# KiCad board Oblique Palette 0.5.1 PCB Main.kicad_pcb (continued)
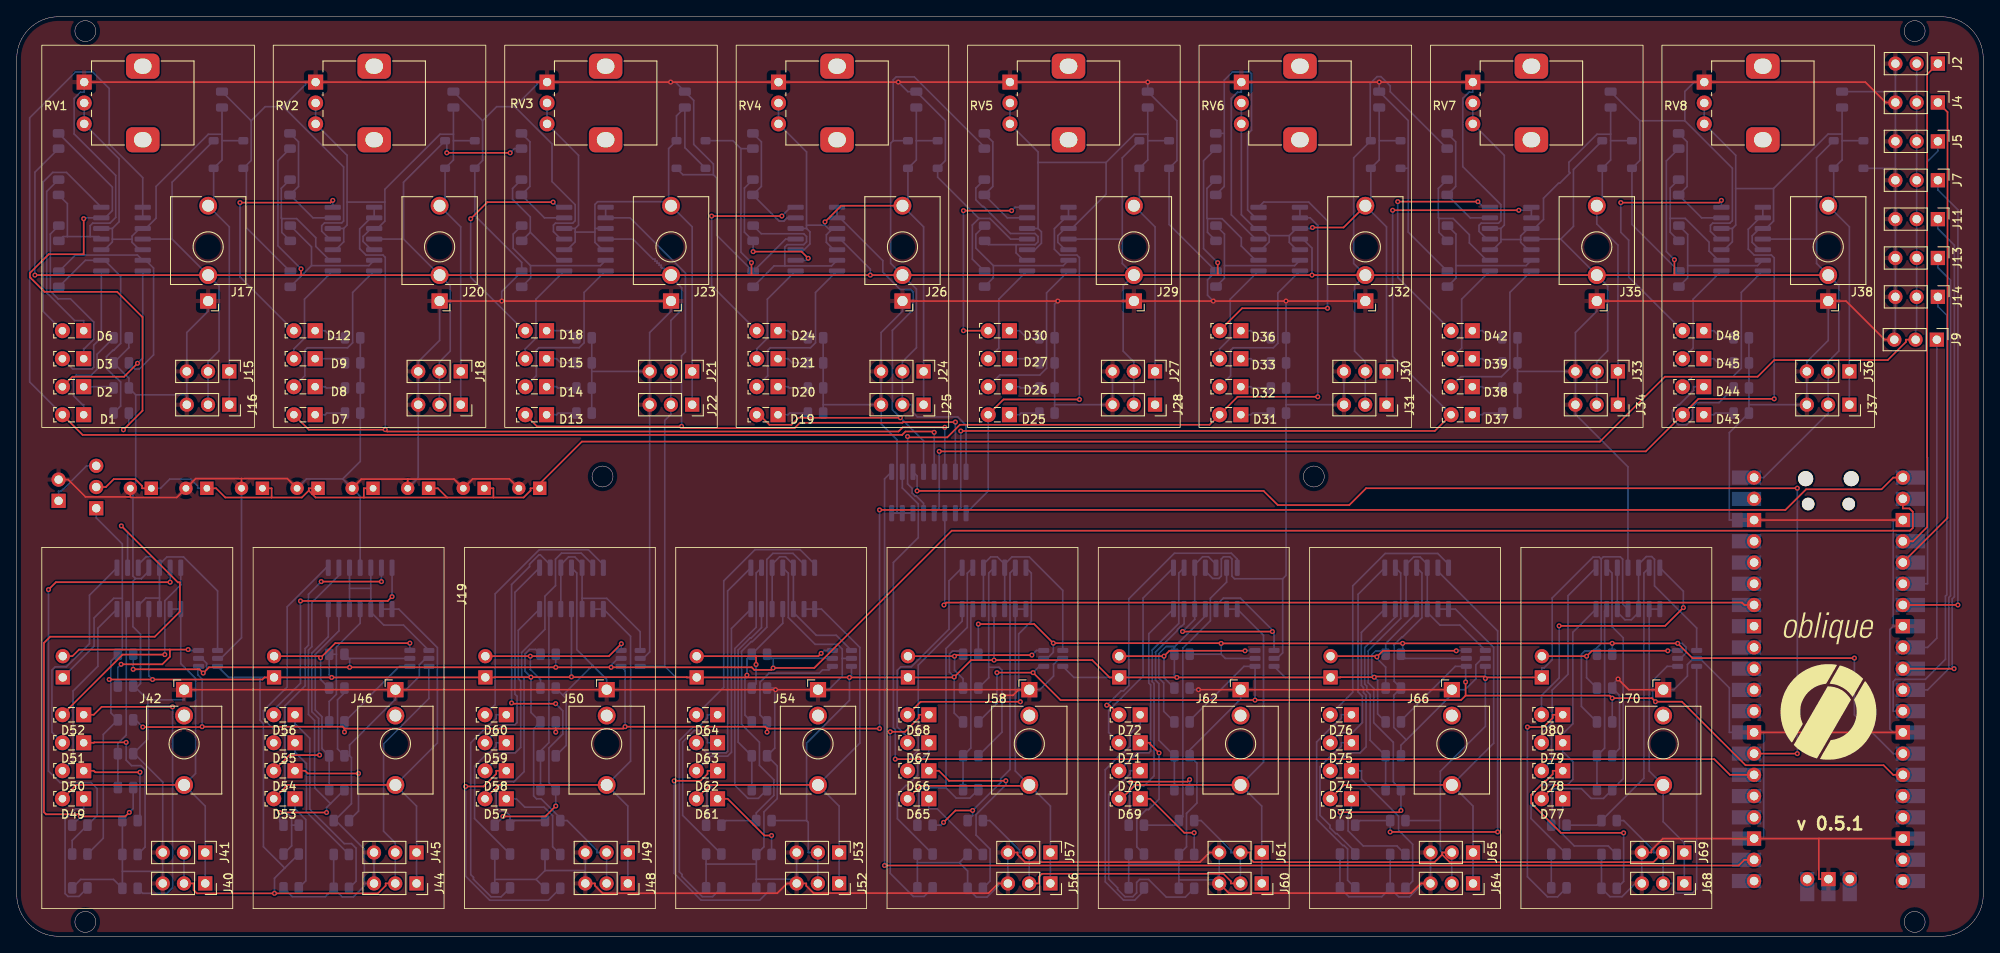
[diagram p0: board, top side]
## Routing (per net, layer and track width the routed paths; a pad name or vN(x,y) marks a point on that pad's centre or on a via; arc(x,y) is an arc through that point) (continued)
/Input 1/ANALOG_IN: length 177
  Top w0.2: D1.2 7.87,59.98 105.8,59.98 106.21,60.38 109.54,60.38 v1(109.64,60.28)
  Bottom w0.2: U3.2 U3.1 15.06,90.75 11.05,94.75 11.05,101.41 9.09,103.38 7.02,103.38 1.55,97.91 1.55,66.3 D1.2 ; U1.13 v1(109.64,60.28)
/Input 2/ANALOG_IN: length 114.2
  Top w0.2: v1(110.91,60.88) 105.87,60.88 105.37,60.38 44.26,60.38 v1(44.04,60.61) 34.9,60.61 D7.2
  Bottom w0.2: U4.1 U4.2 42.3,85.94 40.98,84.62 40.98,82.25 41.73,81.5 43.76,81.5 44.04,81.22 v1(44.04,60.61) ; U1.14 v1(110.91,60.88)
/Input 3/ANALOG_IN: length 90.4
  Top w0.2: v1(112.17,61.51) 105.93,61.51 105.84,61.43 93.59,61.43 92.95,60.79 79.66,60.79 v1(79.45,61) 62.17,61 D13.2
  Bottom w0.2: U5.1 U5.2 73.31,85.94 79.91,79.34 79.91,69.89 79.45,69.43 v1(79.45,61) ; v1(112.17,61.51) 112.17,61.51 U1.15
/Input 4/ANALOG_IN: length 56.9
  Top w0.2: v1(105.59,62.03) 93.42,62.03 92.58,61.19 89.95,61.19 88.74,62.39 D19.2
  Bottom w0.2: U6.1 U6.2 98.38,85.94 103.5,80.82 103.5,79.44 105.56,77.37 106.82,77.37 107.11,77.08 107.11,74.95 104.64,72.48 104.64,62.98 v1(105.59,62.03) 108.36,59.26 U1.12
/Input 5/ANALOG_IN: length 50.9
  Top w0.2: D25.2 117.91,64.21 v1(126.99,64.21)
  Bottom w0.2: U1.1 116.09,53.26 D25.2 ; v1(126.99,64.21) 126.99,81.19 126.69,81.5 124.69,81.5 124,82.19 124,84.64 125.3,85.94 U7.2 U7.1
/Input 6/ANALOG_IN: length 85.4
  Top w0.2: v1(155.47,64.54) 145.89,64.54 D31.2 142.54,61.19 112.7,61.19 111.19,59.68 106.56,59.68 v1(106.45,59.78)
  Bottom w0.2: U1.5 108.36,51.79 107.48,52.67 107.34,52.67 106.99,53.03 106.99,53.58 106.45,54.11 v1(106.45,59.78) ; v1(155.47,64.54) 155.47,85.03 154.57,85.94 U8.2 U8.1
/Input 7/ANALOG_IN: length 114.7
  Top w0.2: v1(112.81,60.44) 169.46,60.44 D37.2 ; v1(164.42,86.85) v1(179.5,86.85)
  Bottom w0.2: v1(112.81,60.44) 112.81,51.25 U1.2 ; U9.2 181,86.85 ; 181,86.85 v1(179.5,86.85) ; 181,86.85 U9.1 ; D37.2 164.42,69.37 v1(164.42,86.85)
/Input 8/ANALOG_IN: length 136.4
  Top w0.2: v1(210.02,64.29) 200.96,64.29 D43.2 194.67,58 v1(110.24,58)
  Bottom w0.2: v1(210.02,64.29) 210.02,81.15 209.67,81.5 207.62,81.5 206.92,82.2 206.92,84.57 208.29,85.94 U10.2 U10.1 ; v1(110.24,58) 110.24,51.22 U1.4
ADC: length 108.1
  Top w0.2: v1(110.8,39.63) 111.09,39.92 206.17,39.92 206.46,39.63 U2.34
  Bottom w0.2: v1(110.8,39.63) 110.91,39.73 U1.3
ADC_0: length 146.1
  Top w0.2: U2.27 v1(212.78,21.85) ; v1(212.78,53.6) 161.25,53.6 159.24,51.59 150.69,51.59 149,53.28 v1(107.59,53.28)
  Bottom w0.2: v1(212.78,53.6) v1(212.78,21.85) ; U1.11 107.59,55.07 v1(107.59,53.28)
ADC_1: length 139.9
  Top w0.2: v1(104.98,21.19) 202.86,21.19 204.74,19.31 U2.26
  Bottom w0.2: v1(104.98,21.19) 104.98,24.71 104.76,24.94 104.76,44.71 107.73,47.68 107.73,51.72 105.83,53.63 U1.10
ADC_2: length 151.6
  Top w0.2: v1(103.71,8.47) 205.77,8.47 206.46,9.15 U2.22
  Bottom w0.2: U1.9 103.71,54.72 v1(103.71,8.47)
SCL_0: length 251.4
  Top w0.2: U2.2 225.39,51.18 226.18,51.18 226.57,50.79 226.57,48.85 226.25,48.52 111.73,48.52 95.31,32.09 v1(90.4,32.09) 90.17,31.87 88.14,31.87 87.83,32.18 v1(71.03,32.18) v1(64.41,32.18) v1(39.78,32.18) 22.97,32.18 v1(22.29,31.49) 21.84,31.93 v1(13.91,31.93)
  Bottom w0.2: U17.5 90.4,33.24 ; 90.4,33.24 90.16,33.24 R98.1 ; 90.4,33.24 v1(90.4,32.09) ; R65.1 v1(13.91,31.93) ; v1(71.03,32.18) 71.03,32.42 71.85,33.24 U15.5 ; R87.1 v1(64.41,32.18) ; v1(39.78,32.18) 39.78,33.12 R76.1 39.66,33.24 46.98,33.24 ; U11.5 22.1,33.24 22.69,32.65 22.69,31.89 v1(22.29,31.49)
SCL_1: length 160.3
  Top w0.2: v1(173.14,30.42) 173.14,28.79 ; 173.14,28.79 172.6,28.25 v1(147.97,28.25) 124.74,28.25 v1(121.45,31.54) 121.45,31.54 v1(117.13,31.54) ; 173.14,28.79 190.36,28.79 v1(190.66,28.49) 195.4,28.49 v1(195.83,28.06) 198.99,28.06 206.59,20.46 223.09,20.46 224.24,19.31 U2.15
  Bottom w0.2: v1(173.14,30.42) 173.14,32.2 173.22,32.29 171.91,32.29 165.41,25.79 R133.1 ; 122.72,32.29 122.2,32.29 v1(121.45,31.54) ; R144.1 v1(190.66,28.49) ; v1(117.13,31.54) 117.13,27.86 R111.1 ; U25.4 197.23,32.29 195.48,30.55 195.48,28.4 v1(195.83,28.06) ; v1(147.97,28.25) U21.4 146.66,32.29 140.16,25.79 R122.1
SDA_0: length 284.8
  Top w0.2: 64.41,24.85 72.47,24.85 v1(72.7,25.07) 89.44,25.07 89.66,24.85 ; 64.41,24.85 v1(64.41,24.42) ; 64.41,24.85 39.16,24.85 ; U2.1 224.24,54.87 222.84,53.47 213.83,53.47 211.36,51 v1(103.1,51) ; 89.66,24.85 v1(89.66,24.42) ; 89.66,24.85 v1(103.1,24.85) ; v1(15.06,25.03) 22.11,25.03 v1(22.15,25.07) 38.94,25.07 39.16,24.85 ; 39.16,24.85 v1(39.16,24.43)
  Bottom w0.2: U11.4 21.65,32.21 21.65,31.26 22.15,30.75 v1(22.15,25.07) ; 46.98,32.29 45.73,32.29 42.21,28.77 42.21,28.69 R78.1 v1(39.16,24.43) ; R89.1 v1(64.41,24.42) ; v1(72.7,25.07) 72.7,31.82 U15.4 ; v1(103.1,51) v1(103.1,24.85) ; v1(89.66,24.42) R100.1 88.82,26.48 88.82,30.4 89.91,31.48 95.91,31.48 96.29,31.86 97.05,31.86 U17.4 ; v1(15.06,25.03) 14.21,25.89 R67.1
SDA_1: length 150.2
  Top w0.2: v1(114.91,37.35) 121.59,37.35 v1(123.87,35.07) 143.89,35.07 v1(143.92,35.03) 165.61,35.03 v1(165.61,35.04) v1(190.66,35.04) v1(198.48,35.04) 200.24,33.28 v1(219.6,33.28)
  Bottom w0.2: v1(123.87,35.07) 123.87,33.97 123.14,33.24 122.72,33.24 ; R109.1 v1(114.91,37.35) ; v1(198.48,35.04) 199.01,35.04 199.47,34.58 199.47,33.88 198.83,33.24 U25.5 ; 143.92,33.74 v1(143.92,35.03) ; 143.92,33.74 R120.1 ; 143.92,33.74 144.42,33.24 U21.5 ; U2.14 224.24,21.85 219.6,26.49 v1(219.6,33.28) ; R142.1 v1(190.66,35.04) ; 173.22,33.24 165.91,33.24 R131.1 165.61,33.94 v1(165.61,35.04)
SERVO_1: length 59.6
  Top w0.2: U2.4 226.59,47.25 228.3,48.96 228.3,103.11 J2.1
SERVO_2: length 57.7
  Top w0.2: U2.5 230.73,50.05 230.73,98.59 J4.1
SERVO_3: length 56.4
  Bottom w0.2: U2.6 228.34,42.17 228.34,57.22 228.28,57.28 228.28,92.64 229.58,93.94 J5.1
SERVO_4: length 58.4
  Top w0.2: U2.7 v1(231.97,39.63)
  Bottom w0.2: v1(231.97,39.63) 231.97,86.9 229.58,89.29 J7.1
SERVO_5: length 40.2
  Bottom w0.2: J9.1 229.45,35.66 228.34,34.55 U2.9
SERVO_6: length 60.9
  Top w0.2: U2.10 v1(231.51,32.01)
  Bottom w0.2: v1(231.51,32.01) 231.29,32.24 231.29,40.36 231.54,40.62 231.54,82.67 229.58,84.64 J11.1
SERVO_7: length 56.4
  Bottom w0.2: U2.11 228.34,29.47 230.88,32.01 230.88,40.52 231.08,40.72 231.08,78.48 229.58,79.99 J13.1
SERVO_8: length 55.9
  Bottom w0.2: J14.1 229.58,75.34 230.64,74.28 230.64,40.85 230.48,40.69 230.48,33.14 228.08,30.74 224.52,30.74 224.24,30.46 224.24,26.93 U2.12
V_SERVO: length 273
  Top w0.2: C6.1 23.82,53.59 24.92,52.49 30.46,52.49 ; C3.1 56.96,53.59 56.96,52.49 ; C1.1 61.95,53.59 ; 61.95,53.59 61.4,53.59 61.4,53.31 60.57,52.49 56.96,52.49 ; 61.95,53.59 67.54,59.18 189.19,59.18 196.96,66.94 208.04,66.94 210.03,68.93 223.59,68.93 225.76,71.1 225.76,71.37 J9.2 ; C4.1 30.46,53.59 30.46,52.49 ; 34.9,53.31 34.9,53.59 C2.1 ; 34.9,53.31 35.72,52.49 41.48,52.49 ; 34.9,53.31 34.07,52.49 30.46,52.49 ; 41.48,52.49 41.48,53.59 C7.1 ; 41.48,52.49 51.42,52.49 ; 56.96,52.49 51.42,52.49 ; C5.1 50.32,53.59 51.42,52.49 ; J71.2 10.65,53.74 11.6,54.69 14.15,54.69 14.98,53.87 14.98,53.59 C8.1
  Bottom w0.2: C6.1 21.62,53.59 21.62,53.87 20.79,54.69 18.28,54.69 17.18,53.59 C8.1 ; J9.2 226.91,72.52 227.04,72.65 J14.2 J13.2 J11.2 J7.2 J5.2 J4.2 J2.2
Net-(D1-K): length 12.8
  Bottom w0.2: D1.1 8,63.59 7.85,63.59 6.8,64.64 6.8,66.79 7.12,67.12 8.9,67.12 9.6,67.82 9.6,69.62 R1.1
Net-(D2-A): length 21.4
  Top w0.2: D2.2 6.66,66.94 12.83,66.94 v1(14.43,68.54)
  Bottom w0.2: v1(14.43,68.54) 15.06,69.17 U3.7
Net-(D2-K): length 3.6
  Bottom w0.2: D2.1 11.43,65.74 R3.1
Net-(D3-A): length 16.2
  Bottom w0.2: D3.2 6.69,67.86 9,67.86 9.2,68.06 9.2,70.71 10.11,71.62 U3.8
Net-(D3-K): length 19.9
  Bottom w0.2: R5.1 4.02,84 4.02,77.18 4.94,76.25 6.43,76.25 9.2,73.47 9.2,71.41 8.08,70.29 8,70.29 D3.1
Net-(D4-A): length 84.3
  Bottom w0.2: 11.43,83.38 11.43,84.67 ; 11.43,83.38 11.43,83.06 10.49,82.13 U3.10 ; 11.43,83.38 13.78,83.38 ; 11.43,84.67 U3.12 ; 11.43,84.67 12.23,85.47 12.23,93.01 8.06,97.18 RV1.3 RV1.2 ; J16.1 J15.1 25.4,84.87 J17.T 23.53,88.04 D4.2 24.53,92.87 24.53,95.17 ; U3.5 14.66,82.13 13.78,83.01 13.78,83.38 ; 24.53,95.94 22.9,95.94 16.65,89.69 16.65,85.9 15.42,84.67 U3.3 14.69,84.67 13.78,83.76 13.78,83.38 ; 24.53,95.94 24.53,95.17 ; 24.53,95.94 C9.1 ; 24.53,95.17 D5.1
Net-(D6-A): length 27.9
  Bottom w0.2: U3.14 5.95,91.37 4.3,91.37 3.16,90.24 3.16,74.74 D6.2
Net-(D6-K): length 21.1
  Bottom w0.2: R7.1 3.58,89.09 3.58,76.99 6.93,73.64 8,73.64 D6.1
Net-(D7-K): length 3.7
  Bottom w0.2: D7.1 36.86,62.39 37.06,62.59 R9.1
Net-(D8-A): length 20.6
  Bottom w0.2: U4.7 40.14,77.02 40.14,71 39.54,70.4 34.73,70.4 34.43,70.09 34.43,67.05 D8.2
Net-(D8-K): length 3.6
  Bottom w0.2: R11.1 37.01,65.59 36.86,65.74 D8.1
Net-(D9-A): length 12.4
  Bottom w0.2: U4.8 34.39,76.21 34.39,71.54 33.12,70.27 D9.2
Net-(D9-K): length 3.8
  Bottom w0.2: D9.1 38.73,69.09 R13.1
Net-(D10-A): length 86.1
  Bottom w0.2: U4.10 38.13,82.13 39.07,83.07 39.07,84.67 ; 52.19,95.94 50.58,95.94 43.99,89.35 43.99,87.82 ; 52.19,95.94 C10.1 ; 52.19,95.94 52.19,95.17 ; 39.07,84.67 39.48,85.07 39.48,87.82 ; 39.07,84.67 U4.12 ; D11.1 52.19,95.17 ; 52.19,95.17 52.19,92.87 D10.2 51.19,88.04 J20.T 53.06,84.87 J18.1 J19.1 ; 43.99,87.82 43.99,85.55 43.11,84.67 U4.3 42.35,84.67 41.38,83.71 41.38,83.12 42.37,82.13 U4.5 ; 43.99,87.82 39.48,87.82 ; RV2.2 RV2.3 39.48,93.42 39.48,87.82
Net-(D12-A): length 30
  Top w0.2: v1(26.68,87.76) 37.49,87.76 v1(37.77,88.03)
  Bottom w0.2: U4.14 v1(37.77,88.03) ; D12.2 26.68,78.88 v1(26.68,87.76)
Net-(D12-K): length 3.9
  Bottom w0.2: D12.1 36.86,72.44 37.71,71.59 R15.1
Net-(D13-K): length 3.7
  Bottom w0.2: D13.1 64.52,62.39 64.72,62.59 R17.1
Net-(D14-A): length 20.6
  Bottom w0.2: D14.2 62.09,67.05 62.09,70.1 62.4,70.4 67.21,70.4 67.8,70.99 67.8,77.02 U5.7
Net-(D14-K): length 3.6
  Bottom w0.2: R19.1 64.67,65.59 64.52,65.74 D14.1
Net-(D15-A): length 12.4
  Bottom w0.2: D15.2 60.77,70.27 62.04,71.54 62.04,76.21 U5.8
Net-(D15-K): length 3.8
  Bottom w0.2: D15.1 64.52,69.09 65.02,68.59 R21.1
Net-(D16-A): length 85.9
  Bottom w0.2: U5.12 66.73,84.67 ; 66.73,84.67 67.13,85.07 67.13,93.42 RV3.3 RV3.2 ; 66.73,84.67 66.73,84.24 ; 66.73,84.24 69.09,84.24 ; 66.73,84.24 66.73,83.07 65.79,82.13 U5.10 ; 69.09,84.24 69.09,83.01 69.97,82.13 U5.5 ; 69.09,84.24 69.09,84.67 ; J22.1 J21.1 80.71,84.87 J23.T 77.9,87.68 77.9,87.87 ; 69.09,84.67 69.09,87.55 69.41,87.87 77.9,87.87 ; 69.09,84.67 U5.3 ; 77.9,87.87 77.9,94.22 D17.1 78.84,98.14 C11.1 79.84,94.34 D16.2
Net-(D18-A): length 28.4
  Top w0.2: v1(54.25,85.83) 56.24,87.82 v1(64.1,87.82)
  Bottom w0.2: v1(54.25,85.83) 54.25,78.82 60.63,72.44 D18.2 ; v1(64.1,87.82) 64.71,87.21 U5.14
Net-(D18-K): length 3.9
  Bottom w0.2: R23.1 66.04,72.44 D18.1
Net-(D19-K): length 3.7
  Bottom w0.2: R25.1 92.37,62.59 92.17,62.39 D19.1
Net-(D20-A): length 20.6
  Bottom w0.2: D20.2 89.74,67.05 89.74,70.09 90.05,70.4 94.85,70.4 95.45,71 95.45,77.02 U6.7
Net-(D20-K): length 3.6
  Bottom w0.2: R27.1 92.32,65.59 92.17,65.74 D20.1
Net-(D21-A): length 12.4
  Bottom w0.2: U6.8 89.7,76.21 89.7,71.54 88.43,70.27 D21.2
Net-(D21-K): length 3.8
  Bottom w0.2: D21.1 92.17,69.09 92.67,68.59 R29.1
Net-(D22-A): length 79.3
  Top w0.2: J26.T 98.52,87.39 v1(96.58,85.46)
  Bottom w0.2: C12.1 107.5,95.17 ; 107.5,95.17 107.5,92.87 D22.2 106.5,88.04 J26.T 108.37,84.87 J24.1 J25.1 ; 107.5,95.17 D23.1 ; 94.38,85.06 94.38,84.67 ; 94.38,85.06 96.58,85.06 ; 94.38,85.06 94.38,93.83 RV4.3 RV4.2 ; 94.38,84.67 94.78,84.27 94.78,82.81 94.1,82.13 U6.10 ; 94.38,84.67 U6.12 ; 97.24,84.4 97.51,84.67 U6.3 ; 97.24,84.4 96.58,85.06 ; 97.24,84.4 96.75,83.91 96.75,83.01 97.63,82.13 U6.5 ; 96.58,85.06 v1(96.58,85.46)
Net-(D24-A): length 26.4
  Top w0.2: v1(91.43,86.16) v1(83.04,86.16)
  Bottom w0.2: U6.14 92.48,87.21 v1(91.43,86.16) ; v1(83.04,86.16) 83.04,77.83 D24.2
Net-(D24-K): length 3.9
  Bottom w0.2: D24.1 92.17,72.44 93.02,71.59 R31.1
Net-(D25-K): length 3.7
  Bottom w0.2: D25.1 119.83,62.39 120.03,62.59 R33.1
Net-(D26-A): length 20.6
  Bottom w0.2: D26.2 117.49,67.14 122.25,67.14 123.07,67.95 123.07,76.97 U7.7
Net-(D26-K): length 3.6
  Bottom w0.2: D26.1 119.83,65.74 119.98,65.59 R35.1
Net-(D27-A): length 12.4
  Bottom w0.2: D27.2 117.36,70.36 117.36,76.21 U7.8
Net-(D27-K): length 3.8
  Bottom w0.2: D27.1 121.7,69.09 R37.1
Net-(D28-A): length 90.1
  Bottom w0.2: 130.18,92.57 122.05,92.57 ; 130.18,92.57 130.18,88.77 126.08,84.67 U7.3 125.26,84.67 124.41,83.81 124.41,83.01 125.29,82.13 U7.5 ; 130.18,92.57 133.55,95.94 135.16,95.94 ; 122.05,92.57 122.05,93.82 RV5.3 RV5.2 ; 122.05,92.57 122.05,84.67 ; U7.10 121.67,82.13 122.45,82.91 122.45,84.27 122.05,84.67 ; 122.05,84.67 U7.12 ; 135.16,95.94 135.16,95.17 ; 135.16,95.94 C13.1 ; 135.16,95.17 135.16,92.87 D28.2 134.16,88.04 J29.T 136.03,84.87 J27.1 J28.1 ; 135.16,95.17 D29.1
Net-(D30-A): length 25.1
  Top w0.2: D30.2 v1(113.13,72.44) ; v1(118.89,86.8) v1(113.13,86.8)
  Bottom w0.2: U7.14 119.3,87.21 v1(118.89,86.8) ; v1(113.13,72.44) v1(113.13,86.8)
Net-(D30-K): length 3.9
  Bottom w0.2: D30.1 119.83,72.44 120.68,71.59 R39.1
Net-(D31-K): length 3.7
  Bottom w0.2: D31.1 147.49,62.39 147.69,62.59 R41.1
Net-(D32-A): length 20.6
  Bottom w0.2: D32.2 145.06,67.05 145.06,70.09 145.36,70.4 150.17,70.4 150.7,70.94 150.7,76.95 U8.7
Net-(D32-K): length 3.6
  Bottom w0.2: D32.1 147.49,65.74 147.64,65.59 R43.1
Net-(D33-A): length 12.4
  Bottom w0.2: D33.2 143.75,70.27 145.02,71.54 145.02,76.21 U8.8
Net-(D33-K): length 3.8
  Bottom w0.2: D33.1 147.49,69.09 147.99,68.59 R45.1
Net-(D34-A): length 75.4
  Top w0.2: J32.T 158.55,84.78 v1(154.84,84.78)
  Bottom w0.2: 152.07,83.81 152.92,84.67 U8.3 154.72,84.67 v1(154.84,84.78) ; 152.07,83.81 152.07,83.01 152.94,82.13 U8.5 ; 152.07,83.81 149.67,83.81 ; 149.67,83.81 149.67,83.06 148.74,82.13 U8.10 ; 149.67,83.81 148.82,84.67 U8.12 147.99,84.67 146.34,86.31 RV6.3 RV6.2 ; D35.1 162.81,95.17 ; 162.81,95.17 C14.1 ; 162.81,95.17 162.81,92.87 D34.2 161.81,88.04 J32.T 163.69,84.87 J30.1 J31.1
Net-(D36-A): length 33.9
  Top w0.2: v1(156.63,75.12) 146.43,75.12 D36.2
  Bottom w0.2: v1(156.63,75.12) 156.63,85.58 154.39,87.83 149.01,87.83 U8.14
Net-(D36-K): length 3.9
  Bottom w0.2: R47.1 148.34,71.59 147.49,72.44 D36.1
Net-(D37-K): length 3.7
  Bottom w0.2: D37.1 175.14,62.39 175.34,62.59 R49.1
Net-(D38-A): length 20.6
  Bottom w0.2: D38.2 172.6,66.94 177.42,66.94 178.43,67.96 178.43,77.02 U9.7
Net-(D38-K): length 3.6
  Bottom w0.2: R51.1 175.29,65.59 175.14,65.74 D38.1
Net-(D39-A): length 12.4
  Bottom w0.2: D39.2 172.67,70.36 172.67,76.21 U9.8
Net-(D39-K): length 3.8
  Bottom w0.2: D39.1 175.14,69.09 175.64,68.59 R53.1
Net-(D40-A): length 84.1
  Top w0.2: J34.1 J33.1
  Bottom w0.2: 190.47,95.17 190.47,92.87 D40.2 189.47,88.04 J35.T 188.82,85.2 191.34,82.68 J33.1 ; 190.47,95.17 D41.1 ; 190.47,95.17 190.47,95.94 ; U9.5 180.6,82.13 179.72,83.01 179.72,83.35 ; 179.72,83.35 179.72,83.78 180.61,84.67 U9.3 181.36,84.67 182.45,85.76 182.45,88.28 184.25,90.08 184.39,90.08 185.59,91.28 185.59,91.36 185.49,91.46 185.49,92.59 188.84,95.94 190.47,95.94 ; 179.72,83.35 177.36,83.35 ; 177.36,83.35 177.36,84.67 ; 177.36,83.35 177.36,83.07 176.42,82.13 U9.10 ; 177.36,84.67 177.76,85.07 177.76,93.42 RV7.3 RV7.2 ; 177.36,84.67 U9.12 ; 190.47,95.94 C15.1
Net-(D42-A): length 29.4
  Top w0.2: v1(165.03,87.88) v1(174.61,87.88)
  Bottom w0.2: D42.2 165.03,78.81 v1(165.03,87.88) ; v1(174.61,87.88) 175.28,87.21 U9.14
Net-(D42-K): length 3.9
  Bottom w0.2: R55.1 175.99,71.59 175.14,72.44 D42.1
Net-(D43-K): length 3.7
  Bottom w0.2: R57.1 203,62.59 202.8,62.39 D43.1
Net-(D44-A): length 20.6
  Bottom w0.2: D44.2 200.26,66.94 205.07,66.94 206.09,67.96 206.09,77.02 U10.7
Net-(D44-K): length 16.5
  Bottom w0.2: R59.1 203.42,63.83 200.75,63.83 200.26,63.35 200.26,61.89 199.56,61.19 198.56,61.19 197.86,61.89 197.86,62.89 198.56,63.59 198.68,63.59 200.4,65.31 200.4,65.74 D44.1
Net-(D45-A): length 12.4
  Bottom w0.2: D45.2 200.33,70.36 200.33,76.21 U10.8
Net-(D45-K): length 3.8
  Bottom w0.2: D45.1 202.8,69.09 203.3,68.59 R61.1
Net-(D46-A): length 86.2
  Bottom w0.2: 218.13,95.97 216.46,95.97 209.94,89.45 ; 218.13,95.97 C16.1 ; 218.13,95.97 218.13,95.17 ; 205.02,84.67 205.02,83.07 204.07,82.13 U10.10 ; 205.02,84.67 205.42,85.07 205.42,89.45 ; 205.02,84.67 U10.12 ; 209.94,89.45 209.94,85.56 209.05,84.67 U10.3 208.26,84.67 207.38,83.78 207.38,83.01 208.26,82.13 U10.5 ; 209.94,89.45 205.42,89.45 ; D47.1 218.13,95.17 ; 218.13,95.17 218.13,92.87 D46.2 217.13,88.04 J38.T 219,84.87 J36.1 J37.1 ; 205.42,89.45 205.42,93.42 RV8.3 RV8.2
Net-(D48-A): length 31.3
  Top w0.2: v1(203.71,88.03) 203.44,87.76 v1(191.68,87.76)
  Bottom w0.2: D48.2 192.62,78.88 192.62,83.27 191.68,84.21 v1(191.68,87.76) ; U10.14 v1(203.71,88.03)
Net-(D48-K): length 3.9
  Bottom w0.2: D48.1 202.8,72.44 203.65,71.59 R63.1
Net-(D49-A): length 51.7
  Top w0.2: J42.T 7.11,18.1 D49.2
  Bottom w0.2: J40.1 J41.1 22.52,15.58 J42.T 21.37,19.47 21.37,30.85 19.6,32.61 U12.1 U12.2
Net-(D49-K): length 16.1
  Bottom w0.2: D49.1 8,15.25 7.02,15.25 5.78,14.01 5.78,5.11 6.12,4.77 7.43,4.77 R72.1
Net-(D50-A): length 22
  Bottom w0.2: D50.2 6.73,21.07 6.73,29.34 9.7,32.31 9.7,36.86 U12.7
Net-(D50-K): length 12.7
  Top w0.2: v1(14.73,19.62) 9.38,19.62 9.2,19.8 D50.1
  Bottom w0.2: v1(14.73,19.62) 14.73,14.12 R73.1
Net-(D51-A): length 25.5
  Bottom w0.2: U12.8 8.7,40.81 8.7,35 5.93,32.23 4.6,32.23 4.21,31.84 4.21,24.4 D51.2
Net-(D51-K): length 20.5
  Top w0.2: D51.1 9.2,23.15 9.25,23.2 v1(13.08,23.2)
  Bottom w0.2: R74.1 15.33,10.67 15.33,19.92 14.84,20.42 13.72,20.42 13.08,21.06 v1(13.08,23.2)
Net-(D52-A): length 26.4
  Top w0.2: D52.2 12.66,33.7 v1(17.7,33.7)
  Bottom w0.2: U12.14 19.6,42.04 17.7,40.13 v1(17.7,33.7)
Net-(D52-K): length 37.3
  Top w0.2: v1(18.62,27.44) 10.15,27.44 9.2,26.5 D52.1
  Bottom w0.2: v1(18.62,27.44) 18.62,5.8 17.96,5.14 15.05,5.14 R75.1
Net-(D53-A): length 55.2
  Top w0.2: J46.T 32.36,18.1 D53.2
  Bottom w0.2: U14.2 U14.1 45.66,39.14 50.27,34.53 50.27,23.12 J46.T 47.77,15.58 J45.1 J44.1
Net-(D53-K): length 11.5
  Bottom w0.2: R83.1 34.54,6.63 34.54,13.96 33.25,15.25 D53.1
Net-(D54-A): length 24.9
  Top w0.2: v1(36.19,21.67) 32.58,21.67 D54.2
  Bottom w0.2: U14.7 37.23,35.83 35.26,33.87 35.26,26.87 36.07,26.06 36.07,21.79 v1(36.19,21.67)
Net-(D54-K): length 13.8
  Top w0.2: v1(40.84,19.47) 34.78,19.47 34.45,19.8 D54.1
  Bottom w0.2: R84.1 40.84,14.98 v1(40.84,19.47)
Net-(D55-A): length 24.8
  Bottom w0.2: D55.2 30.71,24.78 29.48,26.01 29.48,26.98 32.32,29.81 32.32,39.42 36.99,44.09 U14.8
Net-(D55-K): length 16.1
  Bottom w0.2: R85.1 34.62,14.88 34.62,20.66 33.33,21.95 33.25,21.95 D55.1
Net-(D56-A): length 29.6
  Top w0.2: v1(33.91,40.11) 44.33,40.11 v1(44.85,40.63)
  Bottom w0.2: D56.2 30.71,27.07 33.91,30.26 v1(33.91,40.11) ; v1(44.85,40.63) U14.14
Net-(D56-K): length 24.7
  Bottom w0.2: R86.1 40.55,6.58 40.55,10.54 40,11.08 39.14,11.08 35.02,15.21 35.02,23.68 33.4,25.3 33.25,25.3 D56.1
Net-(D57-A): length 52.9
  Top w0.2: D57.2 57.61,18.1 J50.T
  Bottom w0.2: U16.2 U16.1 73.35,35.89 73.35,20.95 J50.T 73.03,15.58 J49.1 J48.1
Net-(D57-K): length 11.4
  Bottom w0.2: D57.1 59.7,16.45 60.71,15.44 63.02,15.44 64.04,14.42 64.04,10.7 R94.1
Net-(D58-A): length 23.1
  Bottom w0.2: D58.2 58.1,21.94 59.56,21.94 60.22,22.6 60.22,30.52 59.94,30.81 59.94,36.6 U16.7
Net-(D58-K): length 29.7
  Top w0.2: D58.1 57.3,19.8 57.3,19.42 55.8,17.92 v1(53.64,17.92)
  Bottom w0.2: R95.1 63.53,4.31 56.52,4.31 53.64,7.19 v1(53.64,17.92)
Net-(D59-A): length 24.7
  Bottom w0.2: D59.2 58.11,25.3 59.53,25.3 59.79,25.56 59.79,28.71 59.53,28.96 59.53,41.14 U16.8
Net-(D59-K): length 17.5
  Bottom w0.2: R96.1 54.71,14.08 54.71,20.36 56.3,21.95 56.55,21.95 57.3,22.69 57.3,23.15 D59.1
Net-(D60-A): length 31.2
  Bottom w0.2: U16.14 70.1,44.45 68.32,46.23 62.44,46.23 57.17,40.97 57.17,27.71 D60.2
Net-(D60-K): length 28
  Bottom w0.2: R97.1 57.88,4.72 56.68,4.72 54.58,6.82 54.58,7.05 54.25,7.38 54.25,23.14 56.41,25.3 56.52,25.3 57.3,26.08 57.3,26.5 D60.1
Net-(D61-A): length 55.1
  Top w0.2: D61.2 82.86,18.1 J54.T
  Bottom w0.2: U18.2 U18.1 96.16,39.14 100.75,34.55 100.75,23.1 J54.T 98.28,15.58 J53.1 J52.1
Net-(D61-K): length 10.5
  Top w0.2: D61.1 84.95,16.45 89.35,12.05 v1(90.2,12.05)
  Bottom w0.2: R105.1 v1(90.2,12.05)
Net-(D62-A): length 23.2
  Bottom w0.2: U18.7 85.41,36.82 85.41,22.01 84.94,21.55 82.96,21.55 D62.2
Net-(D62-K): length 30.5
  Top w0.2: v1(78.56,18.6) 81.72,18.6 82.55,19.42 82.55,19.8 D62.1
  Bottom w0.2: v1(78.56,18.6) 78.56,7.53 81.77,4.32 88.78,4.32 R106.1
Net-(D63-A): length 27.4
  Bottom w0.2: D63.2 82.41,21.95 84.78,21.95 84.95,22.12 84.95,41.31 U18.8
Net-(D63-K): length 20.9
  Bottom w0.2: D63.1 82.55,23.15 82.55,23.53 81.45,24.62 80.97,24.62 79.58,23.23 79.58,14.46 R107.1
Net-(D64-A): length 30.9
  Bottom w0.2: U18.14 95.35,44.51 93.61,46.25 88.23,46.25 84.49,42.52 84.49,29.78 D64.2
Net-(D64-K): length 28.6
  Bottom w0.2: R108.1 83.15,4.74 81.92,4.74 79.5,7.16 79.5,7.39 79.18,7.72 79.18,23.4 80.8,25.03 81.45,25.03 82.55,26.12 82.55,26.5 D64.1
Net-(D65-A): length 51.1
  Top w0.2: J58.T 120.9,18 108.01,18 D65.2
  Bottom w0.2: J56.1 J57.1 123.53,15.58 J58.T 119.33,19.77 U20.2 U20.1
Net-(D65-K): length 9.9
  Bottom w0.2: D65.1 109,15.25 109.99,15.25 R116.1
Net-(D66-A): length 22
  Bottom w0.2: U20.7 112.98,37.69 107.73,32.44 107.73,22.25 106.46,20.98 D66.2
Net-(D66-K): length 25.1
  Top w0.2: D66.1 110.2,19.8 111.4,18.6 v1(118.19,18.6)
  Bottom w0.2: v1(118.19,18.6) 118.19,18.12 114.64,14.56 114.64,12.11 116.32,10.43 116.32,6.6 R117.1
Net-(D67-A): length 25.4
  Bottom w0.2: D67.2 106.46,23.8 105.22,25.05 105.22,31.81 105.64,32.23 106.9,32.23 111.41,36.74 111.41,42.52 U20.8
Net-(D67-K): length 16.8
  Bottom w0.2: R118.1 105.24,14.05 105.24,17.02 106.27,18.05 106.46,18.05 107.66,19.25 107.66,20.69 108.92,21.95 109,21.95 D67.1
Net-(D68-A): length 31.1
  Top w0.2: D68.2 108.01,28.05 v1(119.93,28.05)
  Bottom w0.2: v1(119.93,28.05) 119.73,28.25 119.73,36.17 121.24,37.68 121.24,43.45 U20.14
Net-(D68-K): length 29.3
  Top w0.2: v1(104.38,24.46) 106.14,24.46 107.8,26.12 107.8,26.5 D68.1
  Bottom w0.2: R119.1 108.43,4.76 107.14,4.76 104.38,7.52 v1(104.38,24.46)
Net-(D69-A): length 52.8
  Top w0.2: D69.2 132.01,16.45 133.65,18.1 146.25,18.1 J62.T
  Bottom w0.2: J60.1 J61.1 148.78,15.58 J62.T 148.99,20.84 148.99,36 U22.1 U22.2
Net-(D69-K): length 10.7
  Top w0.2: v1(140.7,12.39) 139.52,12.39 135.45,16.45 D69.1
  Bottom w0.2: R127.1 v1(140.7,12.39)
Net-(D70-A): length 23.1
  Bottom w0.2: D70.2 133.86,21.95 135.31,21.95 135.5,22.14 135.5,30.07 135.28,30.3 135.28,36.19 U22.7
Net-(D70-K): length 29.4
  Bottom w0.2: D70.1 133.05,19.8 133.05,19.41 132.23,18.6 132.12,18.6 130.49,16.97 130.49,6.86 131.55,5.79 131.55,5.61 132.42,4.74 133.37,4.74 133.83,5.2 133.83,6.43 134.19,6.8 135.26,6.8 137.37,4.69 139.65,4.69 R128.1
Net-(D71-A): length 24.7
  Bottom w0.2: D71.2 130.48,24.38 130.48,27 134.6,31.12 134.6,40.46 U22.8
Net-(D71-K): length 16.6
  Top w0.2: v1(136.51,21.93) 135.45,22.99 135.45,23.15 D71.1
  Bottom w0.2: v1(136.51,21.93) 136.51,16.41 135.25,15.15 134.98,15.15 133.85,14.02 133.85,10.7 R129.1
Net-(D72-A): length 32.5
  Top w0.2: v1(130.26,27.64) 130.57,27.64 D72.2
  Bottom w0.2: v1(130.26,27.64) 131.97,29.35 132.27,29.35 132.9,29.99 132.9,40.38 138.35,45.82 145.14,45.82 145.85,45.11 U22.14
Net-(D72-K): length 28.2
  Bottom w0.2: D72.1 134.25,25.3 134.1,25.3 133.05,24.25 133.05,22.73 132.03,21.7 131.86,21.7 130.08,19.92 130.08,6.52 132.26,4.34 133.6,4.34 134.7,5.44 R130.1
Net-(D73-A): length 55.1
  Top w0.2: D73.2 158.61,18.1 J66.T
  Bottom w0.2: J64.1 J65.1 174.03,15.58 J66.T 176.49,23.09 176.49,34.56 171.91,39.14 U24.1 U24.2
Net-(D73-K): length 12
  Bottom w0.2: R138.1 164.94,10.8 160.91,10.8 159.1,12.62 159.1,14.85 159.5,15.25 D73.1
Net-(D74-A): length 23.3
  Bottom w0.2: U24.7 160.69,36.35 160.69,30 160.93,29.76 160.93,29.15 161.24,28.84 161.24,22.66 160.52,21.94 159.1,21.94 D74.2
Net-(D74-K): length 18.1
  Bottom w0.2: D74.1 160.7,19.8 160.7,18.79 165.13,14.36 165.13,12.69 166.81,11.01 166.81,6.59 R139.1
Net-(D75-A): length 24.9
  Bottom w0.2: U24.8 160.29,40.9 160.29,29.23 160.81,28.71 160.81,25.57 159.59,24.35 158.16,24.35 D75.2
Net-(D75-K): length 17.5
  Bottom w0.2: R140.1 159.95,10.1 157.77,12.28 157.62,12.28 156.94,12.96 156.94,13.27 155.74,14.47 155.74,20.29 157.4,21.95 157.51,21.95 158.3,22.74 158.3,23.15 D75.1
Net-(D76-A): length 30.5
  Bottom w0.2: D76.2 159.65,29.19 159.65,41.92 163.53,45.79 169.81,45.79 171.1,44.51 U24.14
Net-(D76-K): length 25.2
  Bottom w0.2: R141.1 159.04,6.7 159.04,10.44 158.61,10.86 158.47,10.86 155.34,14 155.34,23.24 157.39,25.3 157.51,25.3 158.3,26.09 158.3,26.5 D76.1
Net-(D77-A): length 51.1
  Top w0.2: J70.T 183.86,18.1 D77.2
  Bottom w0.2: U26.1 U26.2 195.08,19.77 J70.T 196.75,13.7 199.28,11.17 J69.1 J68.1
Net-(D77-K): length 12
  Bottom w0.2: D77.1 184.75,15.25 184.34,14.84 184.34,12.59 186.13,10.8 190.19,10.8 R149.1
Net-(D78-A): length 22.7
  Bottom w0.2: U26.7 185.95,36.36 185.95,25.42 184.89,24.35 183.69,24.35 183.41,24.08 183.41,21 D78.2
Net-(D78-K): length 25.7
  Top w0.2: D78.1 183.55,19.8 183.55,19.4 182.75,18.6 182.63,18.6 180.97,16.94 180.97,15.93 184.53,12.37 v1(192.02,12.37)
  Bottom w0.2: R150.1 192.02,6.56 v1(192.02,12.37)
Net-(D79-A): length 23.6
  Bottom w0.2: D79.2 182.21,24.3 183.48,25.57 183.48,29.45 185.38,31.34 185.38,40.74 U26.8
Net-(D79-K): length 19.6
  Bottom w0.2: R151.1 180.96,14.08 180.96,16.95 182.14,18.12 185.32,18.12 185.96,18.77 185.96,20.89 184.9,21.95 184.75,21.95 D79.1
Net-(D80-A): length 33.2
  Top w0.2: v1(184.32,37.13) 196.98,37.13 v1(199.16,39.31)
  Bottom w0.2: v1(199.16,39.31) 199.16,41.28 U26.14 ; D80.2 182.21,28.8 184.32,30.91 v1(184.32,37.13)
Net-(D80-K): length 29.1
  Top w0.2: D80.1 183.55,26.5 183.55,26.12 182.45,25.03 v1(180.53,25.03)
  Bottom w0.2: R152.1 184.13,4.72 182.93,4.72 180.53,7.12 v1(180.53,25.03)
Net-(J39-Pin_2): length 26.4
  Top w0.2: 18.3,34.3 v1(20.48,34.3) ; 18.3,34.3 18.3,33.44 17.4,32.54 v1(12.47,32.54) ; 18.3,34.3 7.44,34.3 6.65,33.5 5.5,33.5
  Bottom w0.2: v1(20.48,34.3) 20.59,34.19 U11.6 ; v1(12.47,32.54) 12.09,32.15 R66.2
Net-(J43-Pin_2): length 22
  Top w0.2: v1(46.98,35.07) 38.06,35.07 v1(36.31,33.31) 36.11,33.5 30.75,33.5
  Bottom w0.2: 46.98,34.19 v1(46.98,35.07) ; v1(36.31,33.31) 36.31,30.72 R77.2
Net-(J47-Pin_2): length 22
  Top w0.2: 56,33.5 v1(61.37,33.5) 70.76,33.5 v1(72.25,34.99)
  Bottom w0.2: U15.6 72.22,34.97 v1(72.25,34.99) ; v1(61.37,33.5) 61.37,31.92 62.59,30.71 R88.2
Net-(J51-Pin_2): length 20.5
  Top w0.2: 88.35,33.5 v1(88.35,32.51) ; 88.35,33.5 81.25,33.5 ; 88.35,33.5 95.79,33.5 v1(96.13,33.84)
  Bottom w0.2: R99.2 88.35,30.2 v1(88.35,32.51) ; U17.6 96.47,34.19 v1(96.13,33.84)
Net-(J55-Pin_2): length 20.7
  Top w0.2: 106.5,33.5 v1(112.06,33.5) 112.19,33.64 v1(121.31,33.64)
  Bottom w0.2: v1(112.06,33.5) 112.07,33.5 112.07,31.83 113.09,30.8 R110.2 ; 122.72,34.19 121.86,34.19 v1(121.31,33.64)
Net-(J59-Pin_2): length 20.8
  Top w0.2: 131.75,33.5 v1(137.1,33.5) 137.74,34.15 v1(146.78,34.15)
  Bottom w0.2: R121.2 137.1,30.93 v1(137.1,33.5) ; U21.6 146.82,34.19 v1(146.78,34.15)
Net-(J63-Pin_2): length 20.7
  Top w0.2: v1(172.03,34.15) 163.26,34.15 v1(162.54,33.43) 162.46,33.5 157,33.5
  Bottom w0.2: v1(172.03,34.15) 172.06,34.19 173.22,34.19 ; R132.2 163.59,32.19 162.54,33.24 v1(162.54,33.43)
Net-(J67-Pin_2): length 20.8
  Top w0.2: 182.25,33.5 v1(187.6,33.5) 188.24,34.15 v1(197.3,34.15)
  Bottom w0.2: R143.2 187.6,30.93 v1(187.6,33.5) ; v1(197.3,34.15) 197.34,34.19 U25.6
Net-(J71-Pin_3): length 6.9
  Bottom w0.2: J72.1 5,53.24 5.31,53.24 8.35,56.28 J71.3
Net-(U3B--): length 27.1
  Bottom w0.2: R4.1 7.01,81.5 14.42,81.5 U3.6 15.42,80.86 16.35,79.93 16.35,69.55 14.66,67.86 14.13,67.86 R2.2
Net-(U3C--): length 27.7
  Bottom w0.2: R6.1 12.42,63.43 12.42,66.31 11.9,66.83 11.82,66.83 10.73,67.92 10.73,69.34 11.48,70.09 11.58,70.09 12.42,70.93 12.42,78.95 10.51,80.86 U3.9 8.2,80.86 R4.2
Net-(U3D--): length 60
  Top w0.2: v1(8,85.84) 8,81.59 3.82,81.59 1.57,79.34 1.57,78.84 3.32,77.09 12,77.09 15.03,74.06 15.03,62.87 v1(12.75,60.59)
  Bottom w0.2: v1(12.75,60.59) 13.4,61.24 R6.2 ; v1(8,85.84) 8.1,85.94 U3.13 10.56,85.94 11.43,86.8 11.43,89.62 R8.1
Net-(U4B--): length 17.2
  Bottom w0.2: R10.2 35.22,80.22 ; 35.22,80.22 42.08,80.22 U4.6 ; 35.22,80.22 35.22,82.47 R12.1
Net-(U4C--): length 17
  Bottom w0.2: U4.9 37.4,80.86 35.73,82.53 35.73,83.56 33.45,85.85 31.68,85.85 ; R12.2 31.68,84.19 31.68,85.85 ; R14.1 31.61,89.47 31.61,85.91 31.68,85.85
Net-(U4D--): length 14.4
  Bottom w0.2: R16.1 33.67,95.04 33.67,89.7 R14.2 35.4,85.94 U4.13
Net-(U5B--): length 18.3
  Bottom w0.2: U5.6 69.73,80.22 61.4,80.22 ; 61.4,80.22 59.33,82.3 59.33,84 R20.1 ; 61.4,80.22 61.4,78.74 R18.2
Net-(U5C--): length 14.5
  Bottom w0.2: 61.37,84.21 64.72,80.86 U5.9 ; 61.37,84.21 61.37,86.05 59.25,88.17 59.25,89.45 R22.1 ; 61.37,84.21 R20.2
Net-(U5D--): length 14.4
  Bottom w0.2: U5.13 63.06,85.94 R22.2 61.33,89.7 61.33,95.04 R24.1
Net-(U6B--): length 24
  Bottom w0.2: R26.2 90.5,80.19 91.78,80.19 ; 91.78,80.19 97.36,80.19 U6.6 ; 91.78,80.19 91.78,82.45 92.07,82.73 94.04,82.73 94.38,83.07 94.38,83.71 94.06,84.03 88.98,84.03 R28.1
Net-(U6C--): length 18
  Top w0.2: v1(88,81.9) 93.79,81.9 v1(94.58,81.1)
  Bottom w0.2: R30.1 86.96,89.5 86.96,84.23 R28.2 v1(88,81.9) ; v1(94.58,81.1) 94.34,80.86 U6.9
Net-(U6D--): length 14.8
  Bottom w0.2: R32.1 88.98,95.04 88.98,89.7 R30.2 91.1,85.56 91.68,85.56 92.07,85.94 U6.13
Net-(U7B--): length 18.3
  Bottom w0.2: R34.2 116.71,78.77 116.71,80.23 ; 116.71,80.23 114.61,82.32 114.61,83.97 R36.1 ; 116.71,80.23 125.05,80.23 U7.6
Net-(U7C--): length 22.1
  Bottom w0.2: R36.2 116.11,82.73 119.42,82.73 ; R38.1 114.62,89.5 114.62,88.09 115.42,87.29 115.53,87.29 118.76,84.07 121.68,84.07 122.05,83.7 122.05,83.07 121.7,82.73 119.42,82.73 ; 119.42,82.73 119.42,81.75 120.31,80.86 U7.9
Net-(U7D--): length 14.4
  Bottom w0.2: R40.1 116.64,95.04 116.64,89.7 R38.2 118.38,85.94 U7.13
Net-(U8B--): length 17.4
  Bottom w0.2: U8.6 152.71,80.22 144.32,80.22 ; 144.32,80.22 144.32,78.73 R42.2 ; 144.32,80.22 144.32,84 R44.1
Net-(U8C--): length 16.9
  Bottom w0.2: R44.2 142.29,84.21 142.29,85.84 ; 142.29,85.84 142.23,85.9 142.23,89.45 R46.1 ; 142.29,85.84 144.04,85.84 146.34,83.54 146.34,82.57 148.05,80.86 U8.9
Net-(U8D--): length 37.1
  Bottom w0.2: 144.3,96.05 144.3,89.7 R46.2 ; 144.3,96.05 R48.1 ; 144.3,96.05 144.3,102.4 145.27,103.38 147.37,103.38 147.56,103.2 147.56,96.42 147.09,95.96 147.09,86.89 148.04,85.94 U8.13
Net-(U9B--): length 17.4
  Bottom w0.2: R52.1 171.99,83.99 171.99,80.22 ; U9.6 180.36,80.22 171.99,80.22 ; 171.99,80.22 171.99,78.74 R50.2
Net-(U9C--): length 17
  Bottom w0.2: 169.95,85.86 171.64,85.86 173.59,83.92 173.59,82.94 175.66,80.86 U9.9 ; 169.95,85.86 169.88,85.93 169.88,89.46 R54.1 ; 169.95,85.86 169.95,84.21 R52.2
Net-(U9D--): length 14.4
  Bottom w0.2: U9.13 173.69,85.94 R54.2 171.95,89.7 171.95,95.04 R56.1
Net-(U10B--): length 17.4
  Bottom w0.2: 199.68,80.22 199.68,83.96 R60.1 ; 199.68,80.22 199.68,78.77 R58.2 ; 199.68,80.22 208.02,80.22 U10.6
Net-(U10C--): length 17
  Bottom w0.2: U10.9 203.34,80.86 202.23,81.97 202.23,83.03 199.38,85.87 197.59,85.87 ; 197.59,85.87 197.59,84.23 R60.2 ; 197.59,85.87 197.59,89.5 R62.1
Net-(U10D--): length 14.4
  Bottom w0.2: U10.13 201.35,85.94 R62.2 199.61,89.7 199.61,95.04 R64.1
Net-(U11-VOUT): length 28.5
  Bottom w0.2: 17.06,44.5 17.94,45.38 19.93,45.38 24,41.3 U11.1 ; 17.06,44.5 U12.12 17.06,40.46 ; 17.06,44.5 16.16,45.4 15.46,45.4 14.52,44.46 U12.10 ; 17.06,40.46 15.43,40.46 14.52,39.55 U12.5 ; 17.06,40.46 U12.3
Net-(U12B--): length 21.8
  Bottom w0.2: U12.6 13.08,38.97 13.08,24.06 12.09,23.06 R68.2 R69.2
Net-(U12C--): length 71.9
  Top w0.2: v1(13.45,14.82) 12.97,14.34 v1(7.6,14.34) 7.34,14.59 3.5,14.59 3.25,14.84 3.25,35.09 4,35.84 16.5,35.84 19.5,38.84 19.5,42.34 19.25,42.34 v1(12.5,49.09)
  Bottom w0.2: R69.1 13.91,15.28 v1(13.45,14.82) ; v1(7.6,14.34) 7.6,14.26 R70.2 ; v1(12.5,49.09) 13.25,48.34 U12.9
Net-(U12D--): length 54.1
  Top w0.2: v1(18.33,42.36) 4.68,42.36 v1(3.79,41.47)
  Bottom w0.2: R71.2 6.63,11.47 R70.1 9.6,14.44 9.6,17.65 8.86,18.39 5.17,18.39 3.79,19.77 v1(3.79,41.47) ; U12.13 v1(18.33,42.36)
Net-(U13-VOUT): length 21.6
  Bottom w0.2: 39.77,41.61 42.31,41.61 ; 39.77,41.61 U14.10 ; 39.77,41.61 U14.5 ; 42.31,41.61 U14.12 ; 42.31,41.61 U14.3 42.31,38.78 43.87,37.22 46.22,37.22 U13.1
Net-(U14B--): length 23.5
  Bottom w0.2: R80.2 R79.2 36.48,22.45 36.48,26.26 35.67,27.06 35.67,33.71 38.5,36.54 U14.6
Net-(U14C--): length 41.7
  Top w0.2: v1(37.02,14.81) v1(31.42,14.81)
  Bottom w0.2: v1(37.02,14.81) 37.02,15.4 37.49,15.87 ; v1(31.42,14.81) 31.42,13.75 R81.2 ; R80.1 37.49,15.87 ; 37.49,15.87 35.59,17.77 35.59,25.81 34.86,26.54 34.86,34.24 35.26,34.64 35.26,39.93 38.5,43.16 U14.9
Net-(U14D--): length 44.8
  Top w0.2: v1(36.39,42.43) v1(43.58,42.43)
  Bottom w0.2: U14.13 v1(43.58,42.43) ; 32.85,13.29 R81.1 ; 32.85,13.29 32.85,14.23 32.03,15.04 32.03,27.54 34.46,29.97 34.46,34.41 34.86,34.81 34.86,40.9 v1(36.39,42.43) ; 32.85,13.29 32.85,10.81 R82.2
Net-(U15-VOUT): length 24.8
  Bottom w0.2: 67.56,40.42 U16.12 67.56,44.51 66.69,45.38 65.94,45.38 65.02,44.45 U16.10 U16.5 ; 67.56,40.42 U16.3 ; 67.56,40.42 70.51,40.42 74.5,36.43 U15.1
Net-(U16B--): length 22.1
  Bottom w0.2: R91.2 R90.2 62.59,22.16 63.59,23.16 63.59,38.98 U16.6
Net-(U16C--): length 48.5
  Top w0.2: v1(58.1,14.34) 63.17,14.34 v1(64.41,15.58) ; v1(59.13,27.9) 59.21,27.82 v1(64.4,27.82)
  Bottom w0.2: v1(64.41,15.58) R91.1 63.59,18.36 63.59,22.52 65.26,24.19 65.26,26.97 v1(64.4,27.82) ; v1(59.13,27.9) 59.13,42.07 61.28,44.22 61.28,44.51 62.4,45.62 62.57,45.62 63.75,44.44 U16.9 ; R92.2 58.1,14.26 v1(58.1,14.34)
Net-(U16D--): length 46.8
  Bottom w0.2: R93.2 59.5,13.84 R92.1 58.95,14.41 58.39,14.98 57.71,14.98 57.3,15.39 57.3,17.47 58.31,18.49 59.42,18.49 60.63,19.69 60.63,30.85 60.34,31.14 60.34,33.94 63.11,36.72 63.11,40.67 64.39,41.94 64.39,45.11 65.11,45.83 67.45,45.83 68.83,44.46 U16.13
Net-(U17-VOUT): length 23.2
  Bottom w0.2: U18.5 U18.10 90.27,44.5 91.17,45.4 91.87,45.4 92.81,44.46 U18.12 U18.3 92.81,38.74 95.54,36.01 97.93,36.01 U17.1
Net-(U18B--): length 23.5
  Bottom w0.2: R102.2 R101.2 86.21,23.22 86.21,34.25 87.66,35.69 87.77,35.69 89,36.92 U18.6
Net-(U18C--): length 40
  Bottom w0.2: 85.81,18.07 87.38,16.5 88.62,16.5 R102.1 ; 85.81,18.07 85.81,34.41 88.36,36.97 88.36,43.45 U18.9 ; 85.81,18.07 83.14,18.07 82.48,17.42 82.48,13.39 R103.2
Net-(U18D--): length 45.1
  Bottom w0.2: R103.1 84.75,13.84 R104.2 88.38,14.76 90.48,16.86 90.48,18.72 88.75,20.45 88.75,23.21 86.61,25.35 86.61,34.08 87.78,35.25 87.91,35.25 89.64,36.98 89.64,45.08 90.36,45.8 92.76,45.8 94.08,44.48 U18.13
Net-(U19-VOUT): length 30.3
  Bottom w0.2: U19.1 125,41.38 121,45.38 118.92,45.38 118.06,44.52 118.06,44.32 ; U20.5 U20.10 115.52,44.51 116.39,45.38 117.17,45.38 118.06,44.5 118.06,44.32 ; U20.3 U20.12 118.06,44.32
Net-(U20B--): length 22.1
  Bottom w0.2: R113.2 R112.2 114.02,22.52 114.02,38.91 U20.6
Net-(U20C--): length 40.1
  Bottom w0.2: R113.1 113.9,16.53 112.27,16.53 111.05,17.75 ; 111.05,17.75 108,17.75 107.8,17.55 107.8,13.46 R114.2 ; 111.05,17.75 111.05,34.41 113.59,36.95 113.59,43.43 U20.9
Net-(U20D--): length 38.1
  Top w0.2: v1(114.23,15.05) 112.18,15.05 v1(110.75,13.63)
  Bottom w0.2: R115.2 114.23,14.45 v1(114.23,15.05) 117.59,18.41 117.59,18.85 118.69,19.95 118.69,43.45 U20.13 ; R114.1 110.42,13.29 v1(110.75,13.63)
Net-(U21-VOUT): length 34.7
  Top w0.2: v1(139.31,36.45) v1(150.05,36.45)
  Bottom w0.2: v1(139.31,36.45) 140.77,37.91 U22.5 U22.10 140.77,44.46 141.71,45.4 142.41,45.4 143.31,44.5 U22.12 ; U22.3 143.31,39.56 144.2,40.45 146.23,40.45 150.05,36.63 v1(150.05,36.45) 150.25,36.25 U21.1
Net-(U22B--): length 24
  Bottom w0.2: R124.2 R123.2 136.49,23.44 136.49,30.23 136.09,30.63 136.09,33.97 138.71,36.6 138.71,36.7 139.07,37.05 139.17,37.05 139.5,37.39 U22.6
Net-(U22C--): length 43.4
  Top w0.2: v1(140.16,18.75) 139.92,18.5 133.15,18.5 v1(133.09,18.44)
  Bottom w0.2: U22.9 138.87,43.45 138.87,37.42 135.68,34.24 135.68,30.46 135.91,30.24 135.91,19.18 134.72,18 133.54,18 ; R124.1 v1(140.16,18.75) ; 133.54,18 v1(133.09,18.44) ; 133.54,18 132.98,17.44 132.98,13.39 R125.2
Net-(U22D--): length 37
  Bottom w0.2: R125.1 138.33,13.29 R126.2 139.35,14.31 139.35,34.46 142.64,37.75 142.64,40.43 144.58,42.37 U22.13
Net-(U23-VOUT): length 23.2
  Bottom w0.2: U23.1 172.47,37.22 170.08,37.22 168.56,38.74 U24.3 U24.12 168.56,44.51 167.69,45.38 166.94,45.38 166.02,44.46 U24.10 U24.5
Net-(U24B--): length 24.2
  Bottom w0.2: R135.2 R134.2 161.73,23.44 161.73,28.92 161.33,29.32 161.33,29.93 161.09,30.17 161.09,34.54 164.75,38.2 U24.6
Net-(U24C--): length 41.5
  Top w0.2: v1(165.41,15.04) 165.21,14.84 v1(158.13,14.84)
  Bottom w0.2: R136.2 v1(158.13,14.84) ; U24.9 165.38,43.45 165.38,38.03 161.49,34.13 161.49,30.33 162.17,29.66 162.17,25.54 164.5,23.21 164.5,18.45 R135.1 v1(165.41,15.04)
Net-(U24D--): length 53.2
  Top w0.2: v1(164.13,12.48) v1(176.97,12.48)
  Bottom w0.2: R136.1 160.5,13.84 R137.2 v1(164.13,12.48) ; v1(176.97,12.48) 176.97,36.52 169.83,43.66 U24.13
Net-(U25-VOUT): length 29.8
  Bottom w0.2: U25.1 200.75,36.88 195.72,41.91 195.72,45.09 195.39,45.42 194.73,45.42 193.81,44.5 U26.12 U26.3 193.81,38.72 192.95,37.86 192.18,37.86 191.27,38.77 U26.5 U26.10
Net-(U26B--): length 22.1
  Bottom w0.2: U26.6 189.75,38.89 189.75,22.5 R145.2 R146.2
Net-(U26C--): length 40.3
  Bottom w0.2: U26.9 190.63,43.45 190.63,37.04 191.97,35.7 191.97,18.85 R146.1 189.62,16.49 188.14,16.49 186.99,17.65 183.71,17.65 183.48,17.42 183.48,13.39 R147.2
Net-(U26D--): length 37
  Bottom w0.2: U26.13 194.44,43.45 194.44,18.91 R148.2 188.83,13.29 R147.1

## Copper pours and planes (outline as drawn; the poured copper is in the pictures)
GNDREF on Top, Bottom: 0,110.34 235.5,110.84 235.5,-0.66 -0.5,-0.41

## Text on the board
B.Silkscreen: DAC Address Jumper / Open, A0 = GND / Closed A0 = V+ | V Ext | i2c Bus 0 | V+ | i2c Bus 1 | GND
F.Silkscreen: v 0.5.1
